# Altium PCB 2-quilter-output.pcbdoc (part 7 of 17) (continued)
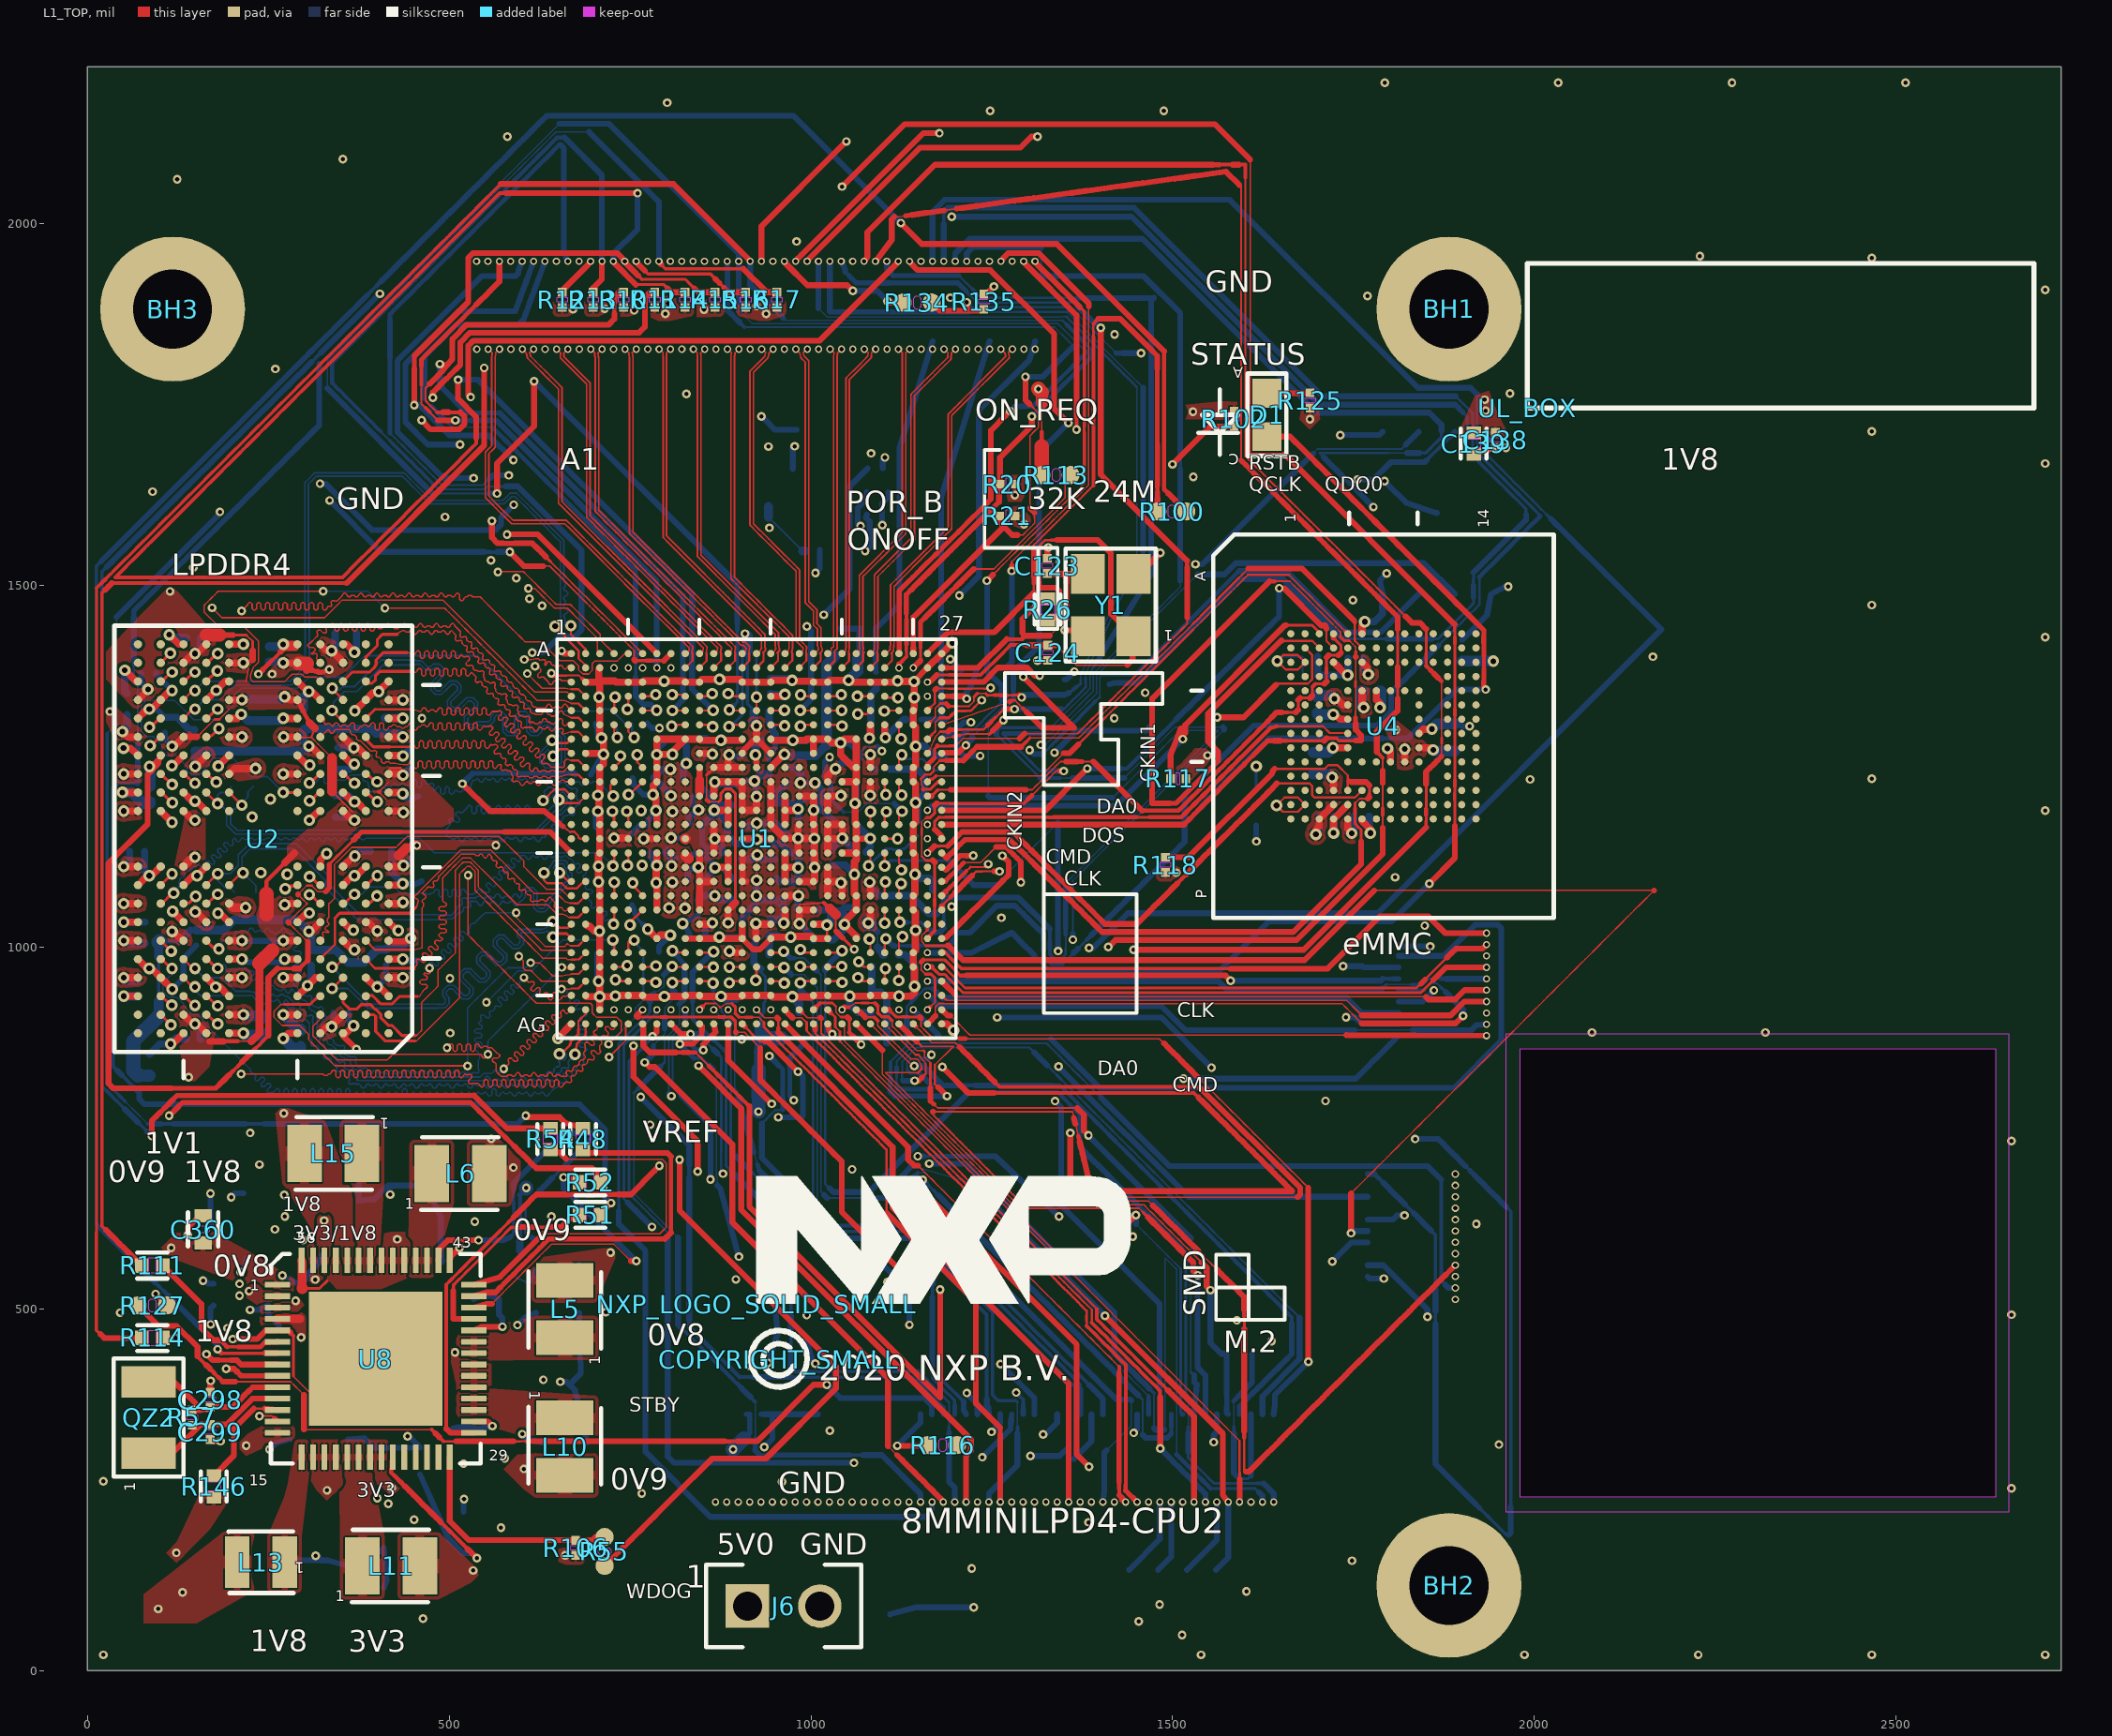
[diagram p0: L1_TOP view]
## Nets (pads, with @x,y where several pads share a name; then routed paths per layer and width w, separated by ;. In a path a pad name is that pad's centre, name@x,y a point inside that pad or via, vN(x,y) a via of type N, cw(c..) or ccw(c..) an arc to the next point about the centre after c; other vN are vias at no path point) (continued)
DRAMB_SDQS0_C: U1.Y1 U2.E3 | length 601.7
  L1_TOP w3.3: v4(338.58,972.29) 342.3,972.29 U2.E3@353.57,983.56
  L1_TOP w3.5: v2(643.17,1035.7) 651.87,1027 664.19,1027 U1.Y1@668.98,1031.79
  L8_BOT w2.3: v4(338.58,972.29) 389.57,921.3 484,921.3 ; 485.16,921.3 485.15,921.06 492.33,921.09 495.21,923.98 495.21,928.52 492.29,931.44 492.23,931.5 492.18,931.57 492.12,931.63 492.07,931.7 492.02,931.77 491.98,931.84 491.93,931.91 491.89,931.99 491.85,932.06 491.82,932.14 491.78,932.22 491.75,932.29 491.72,932.37 491.7,932.45 491.68,932.54 491.66,932.62 491.64,932.7 491.63,932.79 491.62,932.87 491.61,932.95 491.61,933.04 491.61,933.12 491.61,939.68 491.61,939.77 491.61,939.85 491.62,939.94 491.63,940.02 491.65,940.1 491.66,940.19 491.68,940.27 491.71,940.35 491.73,940.43 491.76,940.51 491.79,940.59 491.83,940.67 491.86,940.74 491.9,940.82 491.95,940.89 491.99,940.96 492.04,941.03 492.09,941.1 492.14,941.17 492.19,941.23 492.25,941.29 492.31,941.36 497.38,946.43 497.46,946.5 497.52,946.56 497.59,946.61 497.65,946.66 497.72,946.71 497.79,946.76 497.87,946.8 497.94,946.84 498.01,946.88 498.09,946.92 498.17,946.95 498.25,946.98 498.33,947.01 498.41,947.03 498.49,947.06 498.57,947.08 498.66,947.09 498.74,947.11 498.82,947.12 498.91,947.12 498.99,947.13 499.08,947.13 505.64,947.13 505.72,947.13 505.8,947.12 505.89,947.11 505.97,947.1 506.06,947.09 506.14,947.07 506.22,947.05 506.3,947.03 506.38,947 506.46,946.97 506.54,946.94 506.62,946.91 506.69,946.87 506.77,946.83 506.84,946.79 506.91,946.74 506.98,946.7 507.05,946.65 507.12,946.6 507.18,946.54 507.25,946.48 507.31,946.43 513.83,939.9 520.35,933.38 524.9,933.38 528.56,937.05 528.56,941.59 522.04,948.12 515.52,954.64 515.45,954.72 515.39,954.78 515.34,954.85 515.28,954.91 515.24,954.98 515.19,955.05 515.15,955.12 515.1,955.2 515.07,955.27 515.03,955.35 515,955.43 514.97,955.51 514.94,955.59 514.91,955.67 514.89,955.75 514.87,955.83 514.85,955.91 514.84,956 514.83,956.08 514.82,956.17 514.82,956.25 514.82,956.34 514.82,962.89 514.82,962.98 514.83,963.06 514.83,963.15 514.84,963.23 514.86,963.32 514.88,963.4 514.9,963.48 514.92,963.56 514.95,963.64 514.97,963.72 515.01,963.8 515.04,963.88 515.08,963.95 515.12,964.03 515.16,964.1 515.2,964.17 515.25,964.24 515.3,964.31 515.35,964.38 515.41,964.44 515.46,964.51 515.52,964.57 520.59,969.64 520.67,969.71 520.73,969.77 520.8,969.82 520.87,969.87 520.93,969.92 521.01,969.97 521.08,970.01 521.15,970.05 521.23,970.09 521.3,970.13 521.38,970.16 521.46,970.19 521.54,970.22 521.62,970.25 521.7,970.27 521.78,970.29 521.87,970.3 521.95,970.32 522.03,970.33 522.12,970.34 522.2,970.34 522.29,970.34 528.85,970.34 528.93,970.34 529.02,970.33 529.1,970.32 529.18,970.31 529.27,970.3 529.35,970.28 529.43,970.26 529.51,970.24 529.6,970.21 529.67,970.18 529.75,970.15 529.83,970.12 529.91,970.08 529.98,970.04 530.05,970 530.13,969.96 530.2,969.91 530.27,969.86 530.33,969.81 530.4,969.75 530.46,969.7 530.52,969.64 537.04,963.12 543.57,956.59 548.11,956.59 551.78,960.26 551.78,964.81 545.25,971.33 538.73,977.85 ; 538.72,977.87 538.66,977.93 538.6,977.99 538.55,978.06 538.5,978.12 538.45,978.19 538.4,978.26 538.36,978.34 538.32,978.41 538.28,978.49 538.24,978.56 538.21,978.64 538.18,978.72 538.15,978.8 538.12,978.88 538.1,978.96 538.08,979.04 538.07,979.13 538.05,979.21 538.04,979.29 538.04,979.38 538.03,979.46 538.03,979.55 538.03,986.11 538.03,986.19 538.04,986.28 538.05,986.36 538.06,986.44 538.07,986.53 538.09,986.61 538.11,986.69 538.13,986.77 538.16,986.85 538.19,986.93 538.22,987.01 538.25,987.09 538.29,987.17 538.33,987.24 538.37,987.31 538.41,987.39 538.46,987.46 538.51,987.52 538.56,987.59 538.62,987.66 538.67,987.72 538.73,987.78 543.8,992.85 543.88,992.93 543.95,992.98 544.01,993.03 544.08,993.09 544.15,993.13 544.22,993.18 544.29,993.23 544.36,993.27 544.44,993.31 544.52,993.34 544.59,993.38 544.67,993.41 544.75,993.43 544.83,993.46 544.91,993.48 545,993.5 545.08,993.52 545.16,993.53 545.25,993.54 545.33,993.55 545.42,993.55 545.5,993.55 552.06,993.55 552.14,993.55 552.23,993.55 552.31,993.54 552.4,993.53 552.48,993.51 552.56,993.49 552.65,993.47 552.73,993.45 552.81,993.43 552.89,993.4 552.97,993.37 553.04,993.33 553.12,993.29 553.19,993.26 553.27,993.21 553.34,993.17 553.41,993.12 553.48,993.07 553.54,993.02 553.61,992.97 553.67,992.91 553.73,992.85 560.25,986.33 566.78,979.81 571.32,979.81 574.99,983.47 574.99,988.02 568.47,994.54 561.94,1001.06 ; 561.93,1001.08 561.87,1001.14 561.81,1001.2 561.76,1001.27 561.71,1001.34 561.66,1001.41 561.61,1001.48 561.57,1001.55 561.53,1001.62 561.49,1001.7 561.45,1001.77 561.42,1001.85 561.39,1001.93 561.36,1002.01 561.34,1002.09 561.32,1002.17 561.3,1002.26 561.28,1002.34 561.27,1002.42 561.26,1002.51 561.25,1002.59 561.24,1002.67 561.24,1002.76 561.24,1009.32 561.24,1009.4 561.25,1009.49 561.26,1009.57 561.27,1009.66 561.28,1009.74 561.3,1009.82 561.32,1009.9 561.34,1009.99 561.37,1010.07 561.4,1010.15 561.43,1010.22 561.46,1010.3 561.5,1010.38 561.54,1010.45 561.58,1010.53 561.63,1010.6 561.67,1010.67 561.72,1010.74 561.78,1010.8 561.83,1010.87 561.89,1010.93 561.94,1010.99 567.02,1016.06 ; 567.03,1016.08 567.09,1016.14 567.16,1016.19 567.22,1016.25 567.29,1016.3 567.36,1016.35 567.43,1016.39 567.5,1016.44 567.58,1016.48 567.65,1016.52 567.73,1016.55 567.81,1016.59 567.88,1016.62 567.96,1016.65 568.05,1016.67 568.13,1016.69 568.21,1016.71 568.29,1016.73 568.38,1016.74 568.46,1016.75 568.54,1016.76 568.63,1016.76 568.71,1016.77 575.27,1016.77 575.36,1016.76 575.44,1016.76 575.53,1016.75 575.61,1016.74 575.69,1016.72 575.78,1016.71 575.86,1016.69 575.94,1016.66 576.02,1016.64 576.1,1016.61 576.18,1016.58 576.26,1016.54 576.33,1016.51 576.41,1016.47 576.48,1016.43 576.55,1016.38 576.62,1016.33 576.69,1016.28 576.76,1016.23 576.82,1016.18 576.88,1016.12 576.95,1016.06 583.47,1009.54 589.99,1003.02 594.54,1003.02 598.2,1006.68 598.2,1011.23 595.3,1014.13 595.22,1014.21 595.17,1014.28 595.11,1014.34 595.06,1014.41 595.01,1014.48 594.97,1014.55 594.92,1014.62 594.88,1014.69 594.84,1014.77 594.81,1014.85 594.77,1014.92 594.74,1015 594.72,1015.08 594.69,1015.16 594.67,1015.24 594.65,1015.33 594.63,1015.41 594.62,1015.49 594.61,1015.58 594.6,1015.66 594.6,1015.75 594.6,1015.83 594.6,1022.37 ; 594.6,1022.41 594.6,1022.5 594.61,1022.58 594.61,1022.67 594.63,1022.75 594.64,1022.83 594.66,1022.92 594.68,1023 594.7,1023.08 594.73,1023.16 594.76,1023.24 594.79,1023.32 594.83,1023.39 594.87,1023.47 594.91,1023.54 594.95,1023.62 594.99,1023.69 595.04,1023.76 595.09,1023.83 595.14,1023.89 595.2,1023.96 595.26,1024.02 595.32,1024.08 595.38,1024.14 595.44,1024.19 595.51,1024.25 595.57,1024.3 595.64,1024.35 595.71,1024.39 595.79,1024.44 595.86,1024.48 595.93,1024.52 596.01,1024.55 596.09,1024.59 596.17,1024.62 596.25,1024.65 596.33,1024.67 596.41,1024.69 596.49,1024.71 596.57,1024.73 596.66,1024.74 596.74,1024.75 596.83,1024.76 596.91,1024.76 597,1024.77 604.91,1024.77 612.82,1024.77 620.73,1024.77 628.64,1024.77 634.43,1027.07 639.37,1030.81 v2@644.31,1034.56
DRAMB_SDQS0_T: U1.AA1 U2.D3 | length 592.4
  L1_TOP w3.3: v4(338.49,943.03) 353.43,957.97 U2.D3@353.57,957.97
  L1_TOP w3.5: v2(643.56,1014) 648.26,1018.7 662.38,1018.7 U1.AA1@668.98,1012.1
  L8_BOT w2.3: v4(338.49,943.03) 360.34,943.03 387.37,916 484,916 ; 485.16,916 485.17,916.26 493.34,916.3 493.42,916.3 493.51,916.31 493.59,916.31 493.68,916.32 493.76,916.34 493.84,916.35 493.92,916.37 494.01,916.4 494.09,916.42 494.17,916.45 494.25,916.48 494.32,916.51 494.4,916.55 494.47,916.59 494.55,916.63 494.62,916.68 494.69,916.72 494.76,916.77 494.83,916.82 494.89,916.88 494.95,916.93 495.02,916.99 ; 495.03,917 499.31,921.28 499.37,921.34 499.42,921.41 499.48,921.47 499.53,921.54 499.58,921.61 499.63,921.68 499.67,921.75 499.71,921.82 499.75,921.9 499.79,921.97 499.82,922.05 499.86,922.13 499.88,922.21 499.91,922.29 499.93,922.37 499.95,922.45 499.97,922.54 499.98,922.62 499.99,922.7 500,922.79 500.01,922.87 500.01,922.96 500.01,929.52 500.01,929.6 500.01,929.69 500,929.77 499.99,929.85 499.97,929.94 499.96,930.02 499.94,930.1 499.92,930.18 499.89,930.27 499.86,930.35 499.83,930.42 499.8,930.5 499.76,930.58 499.72,930.65 499.68,930.73 499.64,930.8 499.59,930.87 499.54,930.94 499.49,931.01 499.44,931.07 499.38,931.14 499.33,931.2 ; 499.31,931.21 496.41,934.12 496.41,938.66 500.07,942.33 504.62,942.33 511.14,935.81 517.66,929.28 517.72,929.23 517.79,929.17 517.85,929.12 517.92,929.06 517.99,929.01 518.06,928.97 518.13,928.92 518.2,928.88 518.28,928.84 518.35,928.8 518.43,928.77 518.51,928.74 518.59,928.71 518.67,928.68 518.75,928.66 518.83,928.64 518.91,928.62 519,928.61 519.08,928.6 519.17,928.59 519.25,928.58 519.33,928.58 525.89,928.58 525.98,928.58 526.06,928.59 526.15,928.59 526.23,928.61 526.32,928.62 526.4,928.63 526.48,928.65 526.56,928.68 526.64,928.7 526.72,928.73 526.8,928.76 526.88,928.79 526.96,928.83 527.03,928.87 527.1,928.91 527.18,928.95 527.25,929 527.32,929.05 527.38,929.1 527.45,929.15 527.51,929.21 527.57,929.27 ; 527.59,929.28 532.66,934.36 532.72,934.42 532.78,934.48 532.83,934.54 532.88,934.61 532.93,934.68 532.98,934.75 533.02,934.82 533.07,934.89 533.11,934.97 533.14,935.05 533.18,935.12 533.21,935.2 533.24,935.28 533.26,935.36 533.29,935.44 533.31,935.53 533.32,935.61 533.34,935.69 533.35,935.78 533.36,935.86 533.36,935.94 533.36,936.03 533.36,942.59 533.36,942.67 533.36,942.76 533.35,942.84 533.34,942.92 533.33,943.01 533.31,943.09 533.29,943.17 533.27,943.26 533.24,943.34 533.22,943.42 533.19,943.49 533.15,943.57 533.12,943.65 533.08,943.72 533.04,943.8 532.99,943.87 532.95,943.94 532.9,944.01 532.85,944.08 532.79,944.14 532.74,944.21 532.68,944.27 526.15,950.8 519.62,957.33 519.62,961.88 523.28,965.54 527.83,965.54 534.35,959.02 540.87,952.5 540.93,952.44 541,952.38 541.06,952.33 541.13,952.28 541.2,952.23 541.27,952.18 541.34,952.13 541.41,952.09 541.49,952.05 541.56,952.02 541.64,951.98 541.72,951.95 541.8,951.92 541.88,951.9 541.96,951.87 542.04,951.85 542.13,951.84 542.21,951.82 542.29,951.81 542.38,951.8 542.46,951.8 542.55,951.79 549.11,951.79 549.19,951.8 549.28,951.8 549.36,951.81 549.44,951.82 549.53,951.83 549.61,951.85 549.69,951.87 549.77,951.89 549.85,951.91 549.93,951.94 550.01,951.97 550.09,952.01 550.17,952.04 550.24,952.08 550.32,952.12 550.39,952.17 550.46,952.21 550.53,952.26 550.6,952.31 550.66,952.37 550.72,952.42 550.79,952.48 555.87,957.57 555.93,957.63 555.99,957.69 556.04,957.76 556.1,957.82 556.15,957.89 556.19,957.96 556.24,958.03 556.28,958.11 556.32,958.18 556.36,958.26 556.39,958.34 556.42,958.41 556.45,958.49 556.48,958.57 556.5,958.66 556.52,958.74 556.54,958.82 556.55,958.9 556.56,958.99 556.57,959.07 556.57,959.16 556.58,959.24 556.58,965.8 556.58,965.88 556.57,965.97 556.56,966.05 556.55,966.14 556.54,966.22 556.52,966.3 556.5,966.39 556.48,966.47 556.46,966.55 556.43,966.63 556.4,966.71 556.37,966.78 556.33,966.86 556.29,966.94 556.25,967.01 556.21,967.08 556.16,967.15 556.11,967.22 556.06,967.29 556.01,967.36 555.95,967.42 555.89,967.48 ; 555.87,967.5 549.35,974.02 542.83,980.54 542.83,985.09 546.49,988.75 551.04,988.75 557.56,982.23 564.09,975.71 564.15,975.65 564.21,975.59 564.27,975.54 564.34,975.49 564.41,975.44 564.48,975.39 564.55,975.35 564.63,975.3 564.7,975.26 564.78,975.23 564.85,975.19 564.93,975.16 565.01,975.13 565.09,975.11 565.17,975.09 565.26,975.07 565.34,975.05 565.42,975.03 565.51,975.02 565.59,975.01 565.67,975.01 565.76,975.01 572.32,975.01 572.4,975.01 572.49,975.01 572.57,975.02 572.66,975.03 572.74,975.04 572.82,975.06 572.9,975.08 572.99,975.1 573.07,975.13 573.15,975.15 573.23,975.18 573.3,975.22 573.38,975.25 573.46,975.29 573.53,975.33 573.6,975.38 573.67,975.42 573.74,975.47 573.81,975.52 573.87,975.58 573.94,975.63 574,975.69 579.09,980.78 579.15,980.84 579.2,980.9 579.26,980.97 579.31,981.03 579.36,981.1 579.4,981.17 579.45,981.25 579.49,981.32 579.53,981.39 579.57,981.47 579.6,981.55 579.63,981.63 579.66,981.71 579.69,981.79 579.71,981.87 579.73,981.95 579.75,982.03 579.76,982.12 579.77,982.2 579.78,982.28 579.79,982.37 579.79,982.45 579.79,989.01 579.79,989.1 579.78,989.18 579.78,989.27 579.77,989.35 579.75,989.43 579.74,989.52 579.72,989.6 579.69,989.68 579.67,989.76 579.64,989.84 579.61,989.92 579.58,990 579.54,990.07 579.5,990.15 579.46,990.22 579.42,990.29 579.37,990.37 579.32,990.43 579.27,990.5 579.22,990.57 579.16,990.63 579.1,990.69 572.56,997.23 566.04,1003.75 566.04,1008.3 569.71,1011.97 574.25,1011.97 580.78,1005.44 587.3,998.92 587.36,998.86 587.42,998.81 587.49,998.75 587.55,998.7 587.62,998.65 587.69,998.6 587.76,998.56 587.84,998.52 587.91,998.48 587.99,998.44 588.07,998.41 588.14,998.37 588.22,998.35 588.3,998.32 588.39,998.3 588.47,998.28 588.55,998.26 588.63,998.25 588.72,998.23 588.8,998.23 588.89,998.22 588.97,998.22 595.53,998.22 595.62,998.22 595.7,998.22 595.78,998.23 595.87,998.24 595.95,998.26 596.03,998.27 596.12,998.29 596.2,998.31 596.28,998.34 596.36,998.37 596.44,998.4 596.52,998.43 596.59,998.47 596.67,998.5 596.74,998.55 596.81,998.59 596.88,998.64 596.95,998.69 597.02,998.74 597.09,998.79 597.15,998.85 597.21,998.9 ; 597.23,998.92 602.3,1003.99 602.36,1004.05 602.41,1004.12 602.47,1004.18 602.52,1004.25 602.57,1004.32 602.62,1004.39 602.66,1004.46 602.7,1004.53 602.74,1004.61 602.78,1004.68 602.81,1004.76 602.85,1004.84 602.87,1004.92 602.9,1005 602.92,1005.08 602.94,1005.16 602.96,1005.24 602.97,1005.33 602.99,1005.41 602.99,1005.5 603,1005.58 603,1005.66 603,1012.22 603,1012.31 603,1012.39 602.99,1012.48 602.98,1012.56 602.96,1012.65 602.95,1012.73 602.93,1012.81 602.91,1012.89 602.88,1012.97 602.85,1013.05 602.82,1013.13 602.79,1013.21 602.75,1013.29 602.72,1013.36 602.67,1013.43 602.63,1013.51 602.58,1013.58 602.53,1013.65 602.48,1013.71 602.43,1013.78 602.37,1013.84 602.32,1013.9 599.4,1016.82 599.4,1019.97 609.3,1019.97 619.2,1019.97 629.1,1019.97 629.18,1019.97 629.27,1019.97 629.35,1019.98 629.43,1019.99 629.52,1020 629.6,1020.02 629.68,1020.04 629.76,1020.06 629.84,1020.09 629.92,1020.11 629.98,1020.14 636.2,1022.61 640.9,1019.17 v2@645.59,1015.73
DRAMB_SDQS1_C: U1.AF2 U2.E10 | length 809.9
  L1_TOP w3: 678.68,886.35 678.68,897.73 688.67,907.72 U1.AF2@688.67,913.68
  L1_TOP w3.3: U2.E10@133.09,983.56 145.88,970.77 v4(148.84,970.77)
  L1_TOP w3.5: v4(652.41,852.45) 654.56,852.45 667,864.89 667,866 668.06,867.06 668.06,869.61 678.68,880.23 678.68,886.35
  L8_BOT w2.3: v4(148.84,970.77) 161.75,957.86 186.51,957.86 205.37,939 224,939 ; 225.16,939 225.43,938.37 229.74,937.88 229.85,937.87 229.93,937.85 230.02,937.83 230.1,937.81 230.18,937.79 230.26,937.76 230.34,937.73 230.42,937.7 230.49,937.67 230.57,937.63 230.64,937.59 230.72,937.55 230.79,937.5 230.86,937.45 230.93,937.4 230.99,937.35 231.06,937.3 231.12,937.24 231.18,937.18 231.24,937.12 231.29,937.05 231.35,936.99 235.07,932.28 237.42,932.28 239.61,934.47 239.61,935.62 241.79,937.81 244.09,937.81 246.28,935.62 246.28,934.47 248.46,932.28 250.76,932.28 252.95,934.47 257.55,934.47 259.74,932.28 262.04,932.28 264.34,932.28 266.52,934.47 271.12,934.47 273.31,932.28 275.61,932.28 275.69,932.28 275.78,932.28 275.86,932.27 275.94,932.26 276.03,932.24 276.11,932.23 276.19,932.21 276.27,932.18 276.36,932.16 276.43,932.13 276.51,932.1 276.59,932.06 276.67,932.03 276.74,931.99 276.81,931.94 276.89,931.9 276.96,931.85 277.03,931.8 277.09,931.75 277.16,931.7 277.22,931.64 277.28,931.58 281.77,927.09 286.27,922.6 289.36,922.6 290.17,923.41 293.26,923.41 294.89,921.78 294.89,918.69 294.07,917.88 294.07,914.79 295.7,913.16 298.79,913.16 302.04,909.91 302.04,906.82 303.67,905.19 306.76,905.19 307.58,906 310.67,906 312.29,904.38 312.29,901.29 311.48,900.47 311.48,897.38 ; 311.5,897.37 311.55,897.3 311.61,897.24 311.66,897.18 311.72,897.11 311.76,897.04 311.81,896.97 311.85,896.9 311.9,896.82 311.93,896.75 311.97,896.67 312,896.59 312.03,896.51 312.06,896.43 312.09,896.35 312.11,896.27 312.13,896.19 312.15,896.11 312.16,896.02 312.17,895.94 312.18,895.85 312.18,895.77 312.18,895.69 312.18,889.44 312.18,883.19 312.18,876.4 312.91,875.68 316,875.68 316.81,876.49 319.9,876.49 321.53,874.86 321.53,871.77 320.72,870.96 320.72,867.87 322.34,866.24 325.43,866.24 328.69,862.99 328.69,859.9 330.31,858.27 333.4,858.27 334.22,859.09 337.31,859.09 338.93,857.46 338.93,854.37 338.12,853.56 338.12,850.46 339.75,848.84 342.84,848.84 346.09,845.59 346.09,842.49 347.72,840.87 350.81,840.87 351.62,841.68 354.71,841.68 356.34,840.05 356.34,836.96 355.53,836.15 355.53,833.06 357.15,831.43 360.24,831.43 363.5,828.18 363.5,825.09 365.12,823.46 368.21,823.46 369.03,824.28 372.12,824.28 373.75,822.65 373.75,819.56 372.93,818.75 372.93,815.65 378.68,815.65 384.44,815.65 391.22,815.65 398.01,815.65 404.79,815.65 411.58,815.65 418.36,815.65 425.15,815.65 431.94,815.65 438.72,815.65 445.51,815.65 452.29,815.65 459.08,815.65 465.86,815.65 472.65,815.65 479.44,815.65 486.22,815.65 493.01,815.65 499.79,815.65 506.58,815.65 513.37,815.65 520.15,815.65 526.94,815.65 533.72,815.65 540.51,815.65 547.29,815.65 549.48,817.84 549.48,818.99 551.67,821.18 553.97,821.18 556.15,818.99 556.15,817.84 558.34,815.65 560.64,815.65 562.82,817.84 567.42,817.84 569.61,815.65 571.91,815.65 574.09,817.84 574.09,818.99 576.28,821.18 578.58,821.18 580.77,818.99 580.77,817.84 582.95,815.65 585.25,815.65 587.44,817.84 592.04,817.84 594.22,815.65 596.52,815.65 598.71,817.84 598.71,818.99 600.89,821.18 603.19,821.18 605.38,818.99 605.38,817.84 607.57,815.65 609.87,815.65 612.05,817.84 616.65,817.84 618.84,815.65 621.14,815.65 623.32,817.84 623.32,818.99 625.51,821.18 627.81,821.18 630,818.99 630,817.84 632.18,815.65 635.63,819.1 635.63,822.2 634.82,823.01 634.82,826.1 636.45,827.73 639.54,827.73 640.35,826.91 643.44,826.91 645.07,828.54 645.07,831.63 648.32,834.88 651.41,834.88 653.04,836.51 653.04,839.6 652.22,840.41 652.22,843.51 653.85,845.13 656.94,845.13 657.75,844.32 660.85,844.32 660.57,844.67 660.95,847.74 661.85,848.45 662.23,851.52 660.82,853.33 657.75,853.71 656.84,853 v4@653.78,853.38
DRAMB_SDQS1_T: U1.AG2 U2.D10 | length 841.9
  L1_TOP w3.2: v4(674.11,852.11) 675.93,853.93 675.93,862.5 676.36,862.93
  L1_TOP w3.3: U2.D10@133.09,957.97 145.88,945.18 v4(148.84,945.18)
  L1_TOP w3.5: 676.36,862.93 676.36,866.17 688.67,878.48 U1.AG2@688.67,893.99
  L8_BOT w2.3: v4(148.84,945.18) 148.84,940.64 156.48,933 224,933 ; 225.16,932.99 224.89,933.6 228.21,933.23 232.03,928.39 232.09,928.33 232.14,928.27 232.2,928.2 232.26,928.14 232.32,928.09 232.39,928.03 232.45,927.98 232.52,927.93 232.59,927.88 232.66,927.84 232.74,927.79 232.81,927.75 232.89,927.72 232.96,927.68 233.04,927.65 233.12,927.62 233.2,927.59 233.28,927.57 233.36,927.55 233.45,927.53 233.53,927.52 233.61,927.5 233.7,927.49 233.78,927.49 233.87,927.49 ; 233.91,927.48 238.93,927.48 241.12,925.3 241.12,924.15 243.3,921.96 245.6,921.96 247.79,924.15 247.79,925.3 249.97,927.48 252.27,927.48 254.46,925.3 259.06,925.3 261.25,927.48 263.55,927.48 265.73,925.3 265.73,924.15 267.92,921.96 270.22,921.96 272.4,924.15 272.4,925.3 274.59,927.48 277.37,924.7 277.37,921.61 276.56,920.8 276.56,917.71 278.18,916.08 281.27,916.08 282.09,916.89 285.18,916.89 286.81,915.27 286.81,912.18 290.06,908.92 293.15,908.92 294.78,907.3 294.78,904.21 293.96,903.39 293.96,900.3 295.59,898.68 298.68,898.68 299.49,899.49 302.58,899.49 307.38,894.69 307.38,888.44 307.38,882.19 307.38,875.41 307.38,875.32 307.39,875.24 307.4,875.16 307.41,875.07 307.42,874.99 307.44,874.91 307.46,874.82 307.48,874.74 307.5,874.66 307.53,874.58 307.56,874.5 307.59,874.42 307.63,874.35 307.67,874.27 307.71,874.2 307.75,874.13 307.8,874.06 307.85,873.99 307.9,873.92 307.95,873.85 308.01,873.79 308.07,873.73 ; 308.08,873.71 310.22,871.58 310.22,868.49 309.4,867.68 309.4,864.59 311.03,862.96 314.12,862.96 314.93,863.77 318.02,863.77 319.65,862.15 319.65,859.05 322.9,855.8 326,855.8 327.62,854.18 327.62,851.08 326.81,850.27 326.81,847.18 328.43,845.55 331.53,845.55 332.34,846.37 335.43,846.37 337.06,844.74 337.06,841.65 340.31,838.4 343.4,838.4 345.03,836.77 345.03,833.68 344.21,832.87 344.21,829.77 345.84,828.15 348.93,828.15 349.74,828.96 352.84,828.96 354.46,827.34 354.46,824.24 357.71,820.99 360.81,820.99 362.43,819.37 362.43,816.27 361.62,815.46 361.62,812.37 363.25,810.74 366.34,810.74 367.15,811.56 370.24,811.56 370.3,811.5 370.36,811.44 370.43,811.39 370.5,811.34 370.56,811.29 370.63,811.24 370.71,811.19 370.78,811.15 370.85,811.11 370.93,811.08 371.01,811.04 371.09,811.01 371.17,810.98 371.25,810.96 371.33,810.93 371.41,810.91 371.49,810.9 371.58,810.88 371.66,810.87 371.74,810.86 371.83,810.86 371.91,810.85 375.99,810.85 378.17,808.67 378.17,807.52 380.36,805.33 382.66,805.33 384.84,807.52 384.84,808.67 387.03,810.85 389.33,810.85 391.51,808.67 396.11,808.67 398.3,810.85 400.6,810.85 402.79,808.67 402.79,807.52 404.97,805.33 407.27,805.33 409.46,807.52 409.46,808.67 411.64,810.85 413.94,810.85 416.13,808.67 420.73,808.67 422.91,810.85 425.21,810.85 427.4,808.67 427.4,807.52 429.59,805.33 431.89,805.33 434.07,807.52 434.07,808.67 436.26,810.85 438.56,810.85 440.74,808.67 445.34,808.67 447.53,810.85 449.83,810.85 452.02,808.67 452.02,807.52 454.2,805.33 456.5,805.33 458.69,807.52 458.69,808.67 460.87,810.85 463.17,810.85 465.36,808.67 469.96,808.67 472.14,810.85 474.44,810.85 476.63,808.67 476.63,807.52 478.82,805.33 481.12,805.33 483.3,807.52 483.3,808.67 485.49,810.85 487.79,810.85 489.97,808.67 494.57,808.67 496.76,810.85 499.06,810.85 501.24,808.67 501.24,807.52 503.43,805.33 505.73,805.33 507.92,807.52 507.92,808.67 510.1,810.85 512.4,810.85 514.59,808.67 519.19,808.67 521.37,810.85 523.67,810.85 525.86,808.67 525.86,807.52 528.05,805.33 530.35,805.33 532.53,807.52 532.53,808.67 534.72,810.85 537.02,810.85 539.2,808.67 543.8,808.67 545.99,810.85 548.29,810.85 550.47,808.67 550.47,807.52 552.66,805.33 554.96,805.33 557.15,807.52 557.15,808.67 559.33,810.85 561.63,810.85 563.82,808.67 568.42,808.67 570.6,810.85 572.9,810.85 575.09,808.67 575.09,807.52 577.27,805.33 579.57,805.33 581.76,807.52 581.76,808.67 583.95,810.85 586.25,810.85 588.43,808.67 593.03,808.67 595.22,810.85 597.52,810.85 599.7,808.67 599.7,807.52 601.89,805.33 604.19,805.33 606.38,807.52 606.38,808.67 608.56,810.85 610.86,810.85 613.05,808.67 617.65,808.67 619.83,810.85 622.13,810.85 624.32,808.67 624.32,807.52 626.5,805.33 628.8,805.33 630.99,807.52 630.99,808.67 633.18,810.85 633.26,810.86 633.34,810.86 633.43,810.87 633.51,810.88 633.6,810.89 633.68,810.91 633.76,810.93 633.84,810.95 633.92,810.97 634,811 634.08,811.03 634.16,811.07 634.24,811.1 634.31,811.14 634.39,811.18 634.46,811.23 634.53,811.27 634.6,811.32 634.66,811.37 634.73,811.43 634.79,811.48 634.86,811.54 639.56,816.24 642.65,816.24 643.46,815.43 646.56,815.43 648.18,817.06 648.18,820.15 647.37,820.96 647.37,824.05 649,825.68 652.09,825.68 655.34,828.93 655.34,832.02 656.97,833.65 660.06,833.65 660.87,832.84 663.96,832.84 665.59,834.46 665.59,837.55 664.77,838.37 664.77,841.46 664.83,841.52 664.89,841.58 664.94,841.65 665,841.71 665.04,841.78 665.09,841.85 665.14,841.92 665.18,842 665.22,842.07 665.26,842.15 665.29,842.23 665.32,842.3 665.35,842.38 665.38,842.46 665.4,842.55 665.42,842.63 665.44,842.71 ; 665.44,842.74 665.63,843.81 666.64,844.9 669.72,845.01 670.57,844.23 673.66,844.35 675.22,846.03 675.11,849.12 674.26,849.9 v4@674.15,852.99
DSI_CK_N: J4.15 U1.A11 | length 515.6
  L1_TOP w2.3: v3@648.53,1826.15 654.02,1821.65 653.73,1815.64 653.73,1815.55 653.73,1815.47 653.73,1815.38 653.74,1815.3 653.74,1815.22 653.76,1815.13 653.77,1815.05 653.79,1814.97 653.81,1814.88 653.84,1814.8 653.86,1814.72 653.89,1814.64 653.92,1814.57 653.96,1814.49 654,1814.41 654.04,1814.34 654.08,1814.27 654.13,1814.19 654.17,1814.12 654.22,1814.06 654.28,1813.99 654.33,1813.93 654.39,1813.86 654.43,1813.82 661.54,1806.71 668.66,1799.6 675.77,1792.48 682.88,1785.37 690,1778.25 690,1768.11 690,1757.96 690,1747.81 690,1737.66 690,1727.52 690,1717.37 690,1707.22 690,1697.07 690,1686.93 690,1676.78 690,1666.63 690,1656.48 690,1646.34 690,1636.19 690,1626.04 690,1615.89 690,1605.75 690,1595.6 690,1595.51 690,1595.43 690.01,1595.35 690.02,1595.26 690.04,1595.18 690.05,1595.1 690.07,1595.01 690.09,1594.93 690.12,1594.85 690.15,1594.77 690.18,1594.69 690.21,1594.61 690.25,1594.54 690.28,1594.46 690.33,1594.39 690.37,1594.32 690.42,1594.25 690.47,1594.18 690.52,1594.11 690.57,1594.04 690.63,1593.98 690.68,1593.92 697.64,1586.96 704.59,1580.02 711.53,1573.08 718.47,1566.13 725.41,1559.19 732.35,1552.25 739.29,1545.31 746.24,1538.37 753.18,1531.43 760.12,1524.48 767.06,1517.54 774,1510.6 780.94,1503.66 787.89,1496.72 794.83,1489.78 801.77,1482.83 808.71,1475.89 815.65,1468.95 822.59,1462.01 829.54,1455.07 836.48,1448.13 843.42,1441.18 850.36,1434.24 857.3,1427.3 864.24,1420.36 871.19,1413.42 870.24,1408.04 U1.A11@865.83,1405.81
  other v3: 648.55,1826.55
DSI_CK_P: J4.17 U1.B11 | length 536.2
  L1_TOP w2.3: v3@664.28,1826.15 658.81,1821.42 658.57,1816.47 665.68,1809.36 672.79,1802.25 679.9,1795.14 687.01,1788.04 694.11,1780.93 694.17,1780.87 694.23,1780.8 694.28,1780.74 694.33,1780.67 694.38,1780.6 694.43,1780.53 694.47,1780.46 694.51,1780.38 694.55,1780.31 694.59,1780.23 694.62,1780.15 694.65,1780.08 694.68,1780 694.7,1779.91 694.73,1779.83 694.75,1779.75 694.76,1779.67 694.78,1779.58 694.79,1779.5 694.79,1779.42 694.8,1779.33 694.8,1779.25 694.8,1769.1 694.8,1758.95 694.8,1748.8 694.8,1738.66 694.8,1728.51 694.8,1718.36 694.8,1708.22 694.8,1698.07 694.8,1687.92 694.8,1677.77 694.8,1667.63 694.8,1657.48 694.8,1647.33 694.8,1637.18 694.8,1627.04 694.8,1616.89 694.8,1606.74 694.8,1596.59 701.75,1589.64 708.7,1582.7 715.64,1575.75 722.59,1568.8 729.54,1561.85 736.49,1554.9 743.44,1547.95 750.39,1541 757.34,1534.06 764.29,1527.11 771.23,1520.16 778.18,1513.21 785.13,1506.26 792.08,1499.31 799.03,1492.36 805.98,1485.41 812.93,1478.47 819.88,1471.52 826.82,1464.57 833.77,1457.62 840.72,1450.67 847.67,1443.72 854.62,1436.77 861.57,1429.82 868.52,1422.88 875.47,1415.93 ; 875.48,1415.91 875.54,1415.85 875.59,1415.79 875.65,1415.72 875.7,1415.65 875.75,1415.59 875.79,1415.52 875.84,1415.44 875.88,1415.37 875.92,1415.29 875.96,1415.22 875.99,1415.14 876.02,1415.06 876.05,1414.98 876.07,1414.9 876.09,1414.82 876.11,1414.74 876.13,1414.65 876.14,1414.57 876.15,1414.49 876.16,1414.4 876.17,1414.32 876.17,1414.23 876.17,1414.15 876.16,1414.06 876.15,1413.98 876.14,1413.9 876.13,1413.81 874.96,1407.2 875.83,1407.32
  L1_TOP w3: U1.B11@865.83,1386.12 875.83,1396.11 875.83,1405.81
  other v3: 664.3,1826.55